# Allegro board RK3588_Template_LP4XD200P232SD8_41R0X41R0_2133MHz_H1R0_V10_20211230.brd (continued)
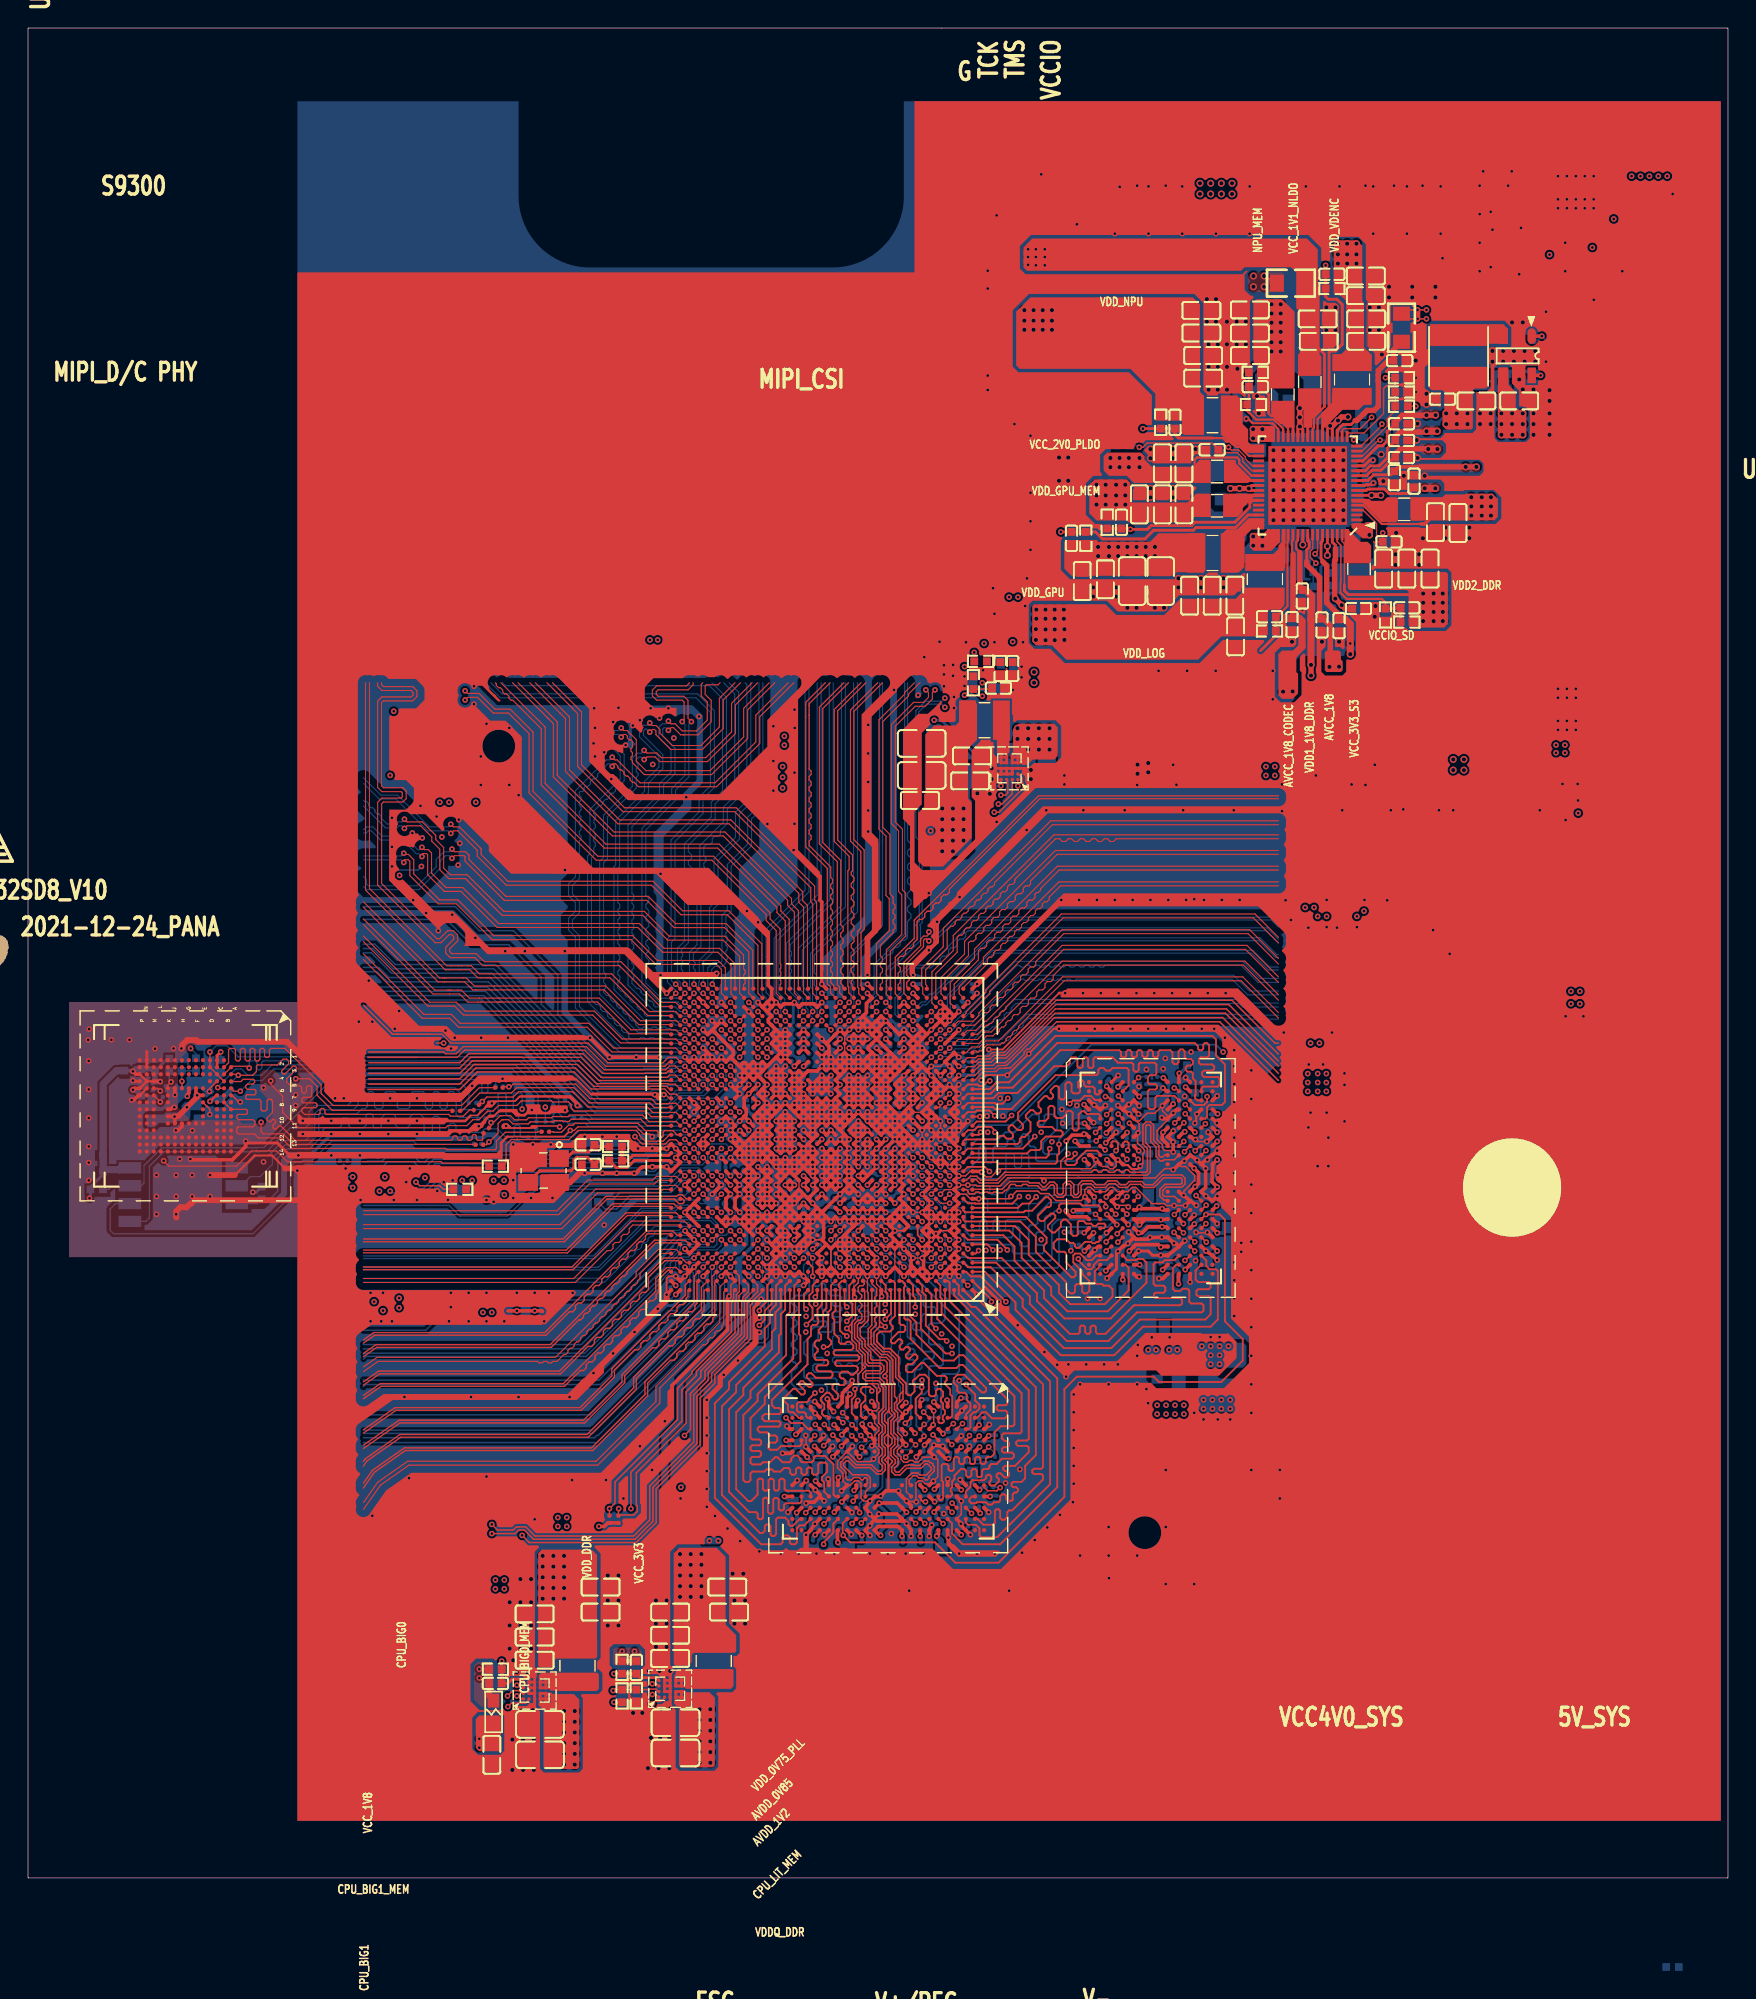
[diagram p0: board, top side]
## Routing (per net, layer and track width the routed paths; a pad name or vN(x,y) marks a point on that pad's centre or on a via; arc(x,y) is an arc through that point) (continued)
  TOP w0.254: v1(45.34,32.51) 45.85,33.02 45.85,35.05 49.8,39 49.8,41.24 49.91,41.36 v1(49.91,41.4) ; v1(55.22,53.88) U1000.W19 ; v1(55.21,53.88) U1000.W20 ; v1(55.22,53.88) U1000.Y19 ; v1(55.22,53.88) 54.89,54.2 U1000.Y20 ; U1000.W19 v1(55.87,53.23) ; U1000.W19 v1(55.86,53.88) ; U1000.AB24 v1(52.62,55.83) U1000.AC24 ; U1000.AB24 v1(52.62,55.18) ; U1000.AB24 51.97,55.83 52.29,56.15 U1000.AC24 ; U1000.G15 58.46,46.08 U1000.H14 ; U1000.G15 v1(57.81,45.43) ; U1000.G15 58.14,45.75 v1(58.46,45.43) ; 60.09,43.15 U1000.C12 v1(59.76,42.83) 59.44,43.15 U1000.C13 ; 60.09,43.15 v1(60.41,42.83) U1000.C11 ; 60.09,43.15 v1(60.41,43.48) ; U1000.AG12 60.1,58.75 60.41,58.44 v1(60.41,58.43) ; U1000.AG12 59.76,58.43 ; U1000.AG12 59.82,59.03 59.82,59.13 U1000.AH12 60.4,59.72 60.43,59.72 ; U1000.AA11 60.74,54.85 U1000.Y10 ; U1000.AA11 v1(60.41,55.18) U1000.AB11 ; U1000.AA11 v1(61.06,55.18) ; U1000.AA11 v1(60.41,54.53) ; v1(64.17,24.33) U3801.G12 v1(64.34,25.12) ; v1(55.87,55.18) 55.54,55.5 U1000.AB19 ; v1(55.87,55.18) U1000.AB18 56.51,55.18 ; v1(55.87,55.18) U1000.AA19 ; v1(55.87,55.18) U1000.AA18 ; U1000.J6 v1(63.67,47.38) 63.99,47.7 ; U1000.J6 v1(64.31,46.73) ; U1000.J6 63.99,47.05 v1(64.31,47.38) ; 56.85,59.39 v1(56.52,59.73) U1000.AJ18 ; 56.85,59.39 56.85,59.41 U1000.AJ16 v1(57.81,60.38) U1000.AJ15 58.14,60.05 v1(58.48,60.4) U1000.AK14 ; 56.85,59.39 57.02,59.22 57.02,58.8 ; U3800.D4 78.3,55.06 v1(78.37,55.06) 78.45,55.06 U3800.C5 v1(79.12,54.98) ; U3800.D4 v1(78.4,54.4) U3800.E5 ; U3800.D4 v1(77.6,54.99) ; v1(57.17,53.88) U1000.W16 ; v1(57.16,53.88) U1000.Y17 ; v1(57.16,53.88) U1000.W17 v1(56.52,53.88) ; v1(57.17,53.88) U1000.Y16 ; U1000.W16 U1000.Y15 ; U1000.W16 57.49,53.55 57.81,53.24 ; U1000.AL3 v1(66.26,61.68) ; U1000.AL3 65.62,61.03 ; U1000.AL3 65.61,61.68 ; 56.84,47.06 v1(57.16,46.73) 57.49,47.05 U1000.J16 v1(57.81,46.73) U1000.J15 58.14,47.05 v1(58.46,46.73) ; 56.84,47.06 56.51,46.74 56.51,46.73 ; 56.84,47.06 56.52,47.38 ; 63.69,59.75 62.68,58.74 ; 63.69,59.75 64.01,60.07 ; 63.69,59.75 63.64,59.75 U1000.AJ7 ; 62.68,58.74 v1(62.36,58.43) ; 62.68,58.74 62.7,58.74 63.01,58.43 ; v1(59.76,51.93) U1000.U13 v1(59.76,52.58) 60.09,52.25 U1000.U12 v1(59.76,51.93) ; v1(59.76,51.93) U1000.T13 59.44,51.6 v1(59.76,51.28) U1000.R13 59.44,50.95 v1(59.76,50.63) ; 62.03,52.27 61.72,52.58 v1(61.71,52.58) ; 62.03,52.27 62.35,52.58 62.36,52.58 ; 62.03,52.27 62.37,51.93 ; U1000.R5 v1(64.31,51.28) U1000.T6 ; U1000.R5 v1(64.96,50.63) 65.29,50.95 ; U1000.R5 v1(64.97,51.28) 65.29,50.95 ; U1000.T6 v1(64.31,51.93) 64.31,51.96 64,52.27 ; U1000.T6 63.99,51.6 63.65,51.94 ; U1000.AP17 v1(56.52,63.63) 56.52,63.7 56.51,63.71 56.51,69.48 56.39,69.6 56.39,71.29 56.18,71.5 ; v1(79.12,42.8) 78.94,42.8 U3800.AB5 ; U1000.AD11 v1(60.41,56.48) U1000.AC12 60.41,55.84 ; U1000.AD11 60.74,56.8 v1(61.06,56.48) ; U1000.AD11 60.09,57.45 U1000.AE12 ; U1000.AD11 61.39,57.46 ; 54.58,48.04 54.89,48.35 U1000.L20 ; 54.58,48.04 U1000.K21 ; 54.58,48.04 54.26,48.35 U1000.L21 ; v1(51.32,49.98) 50.99,50.3 U1000.P26 U1000.R25 ; v1(51.31,49.98) U1000.N26 50.99,49.65 51.32,49.33 ; v1(51.32,49.98) 51.64,49.65 U1000.N25 ; v1(51.32,49.98) U1000.P25 ; 53.27,44.14 52.94,43.8 U1000.D23 ; 53.27,44.14 53.26,44.14 U1000.E23 53.26,44.77 ; 53.27,44.14 U1000.E22 ; U1000.W12 U1000.Y11 ; U1000.W12 v1(59.76,53.88) 59.44,54.2 U1000.Y13 ; U1000.W12 60.41,53.23 ; U1000.Y11 61.39,54.85 ; U1000.Y11 60.74,54.2 v1(60.41,54.53) ; U1000.Y11 60.74,54.2 61.07,53.88 ; v1(65.62,47.38) U1000.K3 65.94,47.7 ; v1(65.62,47.38) U1000.J4 ; v1(65.62,47.38) 65.94,47.05 ; v1(7.37,55.38) 7.52,55.38 7.86,55.72 U4000.P6 ; U1000.K22 53.88,47.41 ; U1000.K22 53.92,48.03 ; U1000.K22 v1(53.27,47.38) ; 53.88,47.41 53.95,47.41 U1000.K21 ; 53.88,47.41 U1000.J21 ; 53.88,47.41 53.88,47.35 U1000.J22 ; v1(56.52,54.53) 56.19,54.85 U1000.AA18 ; v1(56.52,54.53) U1000.Y18 ; v1(56.52,54.53) U1000.Y17 ; v1(56.52,54.53) U1000.AA17 ; U1000.H22 53.92,46.73 ; U1000.H22 53.59,46.4 v1(53.92,46.08) ; U1000.H22 53.23,46.76 ; U1000.H22 53.34,46.15 53.34,46 U1000.G22 ; 53.91,46.73 U1000.J22 ; 53.92,46.73 U1000.J21 ; U1000.AA23 53.25,54.55 53.28,54.55 ; U1000.AA23 U1000.Y24 ; U1000.AA23 v1(52.62,55.18) ; U1000.AA23 v1(53.27,55.18) U1000.AA22 ; v1(64.31,45.43) 64.31,45.43 64.64,45.75 ; v1(64.31,45.43) 63.99,45.75 U1000.G6 ; v1(64.31,45.43) 63.99,45.1 ; 61.07,53.88 U1000.W10 ; 61.07,53.88 U1000.Y10 ; 61.06,53.88 60.74,53.55 U1000.V10 ; U1000.P22 v1(53.27,50.63) ; U1000.P22 53.91,49.98 ; U1000.P22 v1(53.92,50.63) ; U1000.P22 53.27,49.98 U1000.N22 ; v1(53.27,50.63) U1000.R23 ; v1(53.27,50.63) U1000.R22 ; U1000.C32 v1(47.41,43.48) U1000.D31 ; U1000.C32 v1(46.76,43.48) ; U1000.C32 v1(46.76,42.83) U1000.B33 v1(46.11,42.83) ; v1(15.49,52.45) 15.49,52.08 14.93,51.52 14.93,51.52 14.65,51.24 14.65,51.24 14.54,51.12 11.62,51.12 v1(11.56,51.18) ; 51.32,48.03 U1000.L26 v1(51.31,48.68) ; 51.32,48.03 51.56,47.78 51.56,47.78 ; 51.32,48.03 51.64,48.35 U1000.L25 v1(51.32,48.68) ; 51.32,48.03 U1000.K26 v1(51.31,47.38) ; 55.22,57.13 U1000.AE20 54.89,57.45 v1(54.57,57.13) ; 55.22,57.13 U1000.AD20 ; 55.22,57.13 U1000.AE19 U1000.AE18 56.52,57.78 ; 52.02,51.23 U1000.T25 ; 52.02,51.23 U1000.R24 52.61,51.27 ; 52.02,51.23 v1(51.97,51.28) ; U1000.T25 50.67,52.57 ; U1000.T25 U1000.R26 ; U1000.T25 v1(51.97,51.93) ; v1(63.01,47.38) U1000.K8 ; U1000.K8 62.36,48.03 ; U1000.K8 v1(62.36,47.38) ; v1(49.37,53.88) U1000.Y28 v1(50.01,53.88) U1000.W27 50.34,53.55 v1(50.02,53.23) U1000.V27 ; 57.02,58.8 56.89,58.8 v1(56.52,58.43) ; 57.02,58.8 57.02,58.57 57.18,58.41 ; 53.28,54.55 U1000.AA22 ; 53.28,54.55 U1000.Y23 ; 62.35,53.86 62.04,54.16 U1000.Y9 ; 62.35,53.86 U1000.W9 ; 62.35,53.86 U1000.Y8 ; U1000.AF31 v1(47.42,58.43) 47.09,58.1 U1000.AF32 v1(46.77,58.43) ; v1(61.06,56.48) U1000.AC11 ; v1(61.06,56.48) U1000.AC10 61.39,56.15 v1(61.06,55.83) ; v1(61.06,56.48) 61.39,56.8 U1000.AD10 ; 64.01,60.07 63.97,60.07 63.61,60.43 ; 64.01,60.07 v1(64.31,60.38) U1000.AK5 64.97,61.03 ; v1(81.54,53.18) 81.54,53.18 81.54,53.15 U3800.G8 81.18,52.75 81.53,52.4 v1(81.53,52.39) 81.53,52.38 81.53,51.69 v1(81.55,51.68) ; U1000.F9 62.04,45.1 61.71,44.78 U1000.F10 61.39,45.1 ; U1000.F9 v1(62.36,45.43) ; U1000.F9 61.71,45.43 ; U1000.F9 v1(62.36,44.78) U1000.E8 v1(63.01,44.13) 62.87,43.98 62.87,43.56 ; U1000.AM8 v1(62.36,62.33) U1000.AM9 ; U1000.E3 65.94,44.45 v1(66.26,44.78) U1000.F3 v1(66.26,45.43) U1000.G3 ; U1000.E3 65.62,44.13 U1000.D3 ; U1000.E3 66.26,44.13 U1000.D3 ; 62.36,52.58 62.68,52.9 U1000.V8 ; 62.36,52.58 U1000.V9 ; 62.36,52.58 v1(63.01,51.93) 63.39,52.3 ; U1000.P19 v1(55.87,50.63) U1000.R18 U1000.T19 ; U1000.P19 55.22,50.63 ; U1000.P19 v1(55.86,49.98) ; U1000.AP34 v1(45.47,62.98) 44.95,63.49 44.95,63.76 44.45,64.26 ; U1000.Y24 v1(52.62,53.88) ; U1000.Y24 52,54.49 51.93,54.49 ; U1000.Y24 v1(51.97,53.88) ; v1(52.62,53.88) U1000.W24 ; v1(52.62,53.88) 52.94,53.55 U1000.W23 52.62,53.23 ; v1(52.62,53.88) 52.64,53.9 U1000.Y23 ; 52.61,51.28 U1000.T24 ; 52.61,51.28 U1000.R23 ; 52.61,51.28 52.61,51.27 ; U1000.T24 52.29,51.6 52.62,51.93 ; U1000.T24 v1(51.97,51.93) ; U1000.T24 v1(51.97,51.28) ; v1(59.11,61.03) U1000.AK14 ; v1(59.11,61.03) U1000.AL13 ; v1(59.12,61.03) 59.37,60.77 ; U1000.AK14 58.79,60.7 v1(59.11,60.38) U1000.AK13 ; U1000.Y17 v1(57.16,54.53) ; U1000.Y17 56.84,54.2 v1(56.52,53.88) ; v1(47.41,54.53) U1000.AA31 v1(47.41,55.18) U1000.AB32 ; 65.94,47.7 65.97,47.7 66.28,48.02 U1000.L3 66.26,48.68 U1000.M3 v1(66.26,49.33) U1000.N3 65.94,49.65 v1(66.26,49.98) U1000.P3 65.94,50.3 ; 65.94,47.7 v1(66.26,47.38) 65.94,47.05 ; U1000.AA24 v1(52.62,55.18) ; U1000.AA24 51.93,54.49 ; U1000.AA24 U1000.Y23 ; v1(55.22,55.18) 54.89,55.5 U1000.AB20 ; v1(55.22,55.18) U1000.AB19 ; v1(55.22,55.18) U1000.AA20 ; v1(55.22,55.18) U1000.AA19 ; U1000.AF16 57.18,58.41 ; U1000.AF16 v1(57.16,57.78) ; U1000.AF16 v1(57.81,58.43) ; U1000.AF16 57.81,57.78 ; 57.18,58.41 57.15,58.41 56.83,58.1 ; U1000.AH22 53.59,59.4 v1(53.92,59.08) ; U1000.AH22 v1(53.92,59.73) ; U1000.AH22 53.28,59.09 53.25,59.09 ; U1000.AH22 53.26,59.73 ; 63.64,58.41 63.99,58.75 ; 63.64,58.41 63.34,58.71 U1000.AG7 ; 63.64,58.41 U1000.AF7 ; 63.99,58.75 v1(63.66,59.08) ; 63.99,58.75 U1000.AG6 ; 54.57,54.52 54.57,54.53 U1000.AA20 ; 54.57,54.52 U1000.AA21 ; 54.57,54.52 U1000.Y20 ; v1(51.97,53.23) 51.64,52.9 U1000.V25 ; v1(51.97,53.23) U1000.W24 ; v1(51.97,53.23) U1000.V24 ; U1000.AM4 v1(64.97,62.33) ; U1000.AM4 65.61,61.68 ; U1000.AM4 v1(64.96,61.68) ; U1000.AC24 v1(52.62,56.48) U1000.AD24 51.97,57.13 ; U1000.V25 51.64,52.9 51.32,52.58 ; U1000.V25 v1(51.97,52.58) ; v1(57.17,54.53) U1000.AA16 ; v1(57.16,54.53) U1000.Y16 ; U1000.AB11 60.41,55.84 ; U1000.AB11 v1(61.06,55.83) ; U1000.AB11 60.74,55.5 v1(61.06,55.18) ; 60.41,55.84 60.72,56.15 U1000.AC11 ; U1000.P21 53.92,49.98 ; U1000.P21 54.56,49.98 ; U1000.P21 v1(54.57,50.63) ; U1000.P21 v1(53.92,50.63) ; 53.92,49.98 U1000.N22 ; v1(75.87,53.77) 75.82,53.77 U3800.E1 ; 62.37,51.93 63,52.57 63,52.59 ; 62.37,51.93 U1000.T9 v1(62.36,51.28) ; U1000.AF12 59.79,57.81 ; U1000.AF12 59.76,58.43 ; U1000.AF12 60.1,58.1 ; 59.79,57.81 U1000.AE13 v1(59.11,57.78) ; 59.79,57.81 59.74,57.81 U1000.AF13 ; 59.79,57.81 59.79,57.75 U1000.AE12 ; 56.83,58.1 56.85,58.1 ; 56.83,58.1 56.52,57.78 ; v1(63.01,62.98) U1000.AN7 ; v1(57.81,52.58) 58.14,52.9 U1000.V15 ; v1(57.81,52.58) U1000.U16 v1(57.16,52.58) 56.84,52.25 U1000.U17 ; v1(57.81,52.58) 58.14,52.25 U1000.U15 ; U1000.Y9 61.39,53.55 ; U1000.Y9 62.4,54.56 ; U1000.Y9 U1000.AA10 v1(61.06,55.18) ; 63.61,60.43 63.61,60.32 U1000.AJ7 ; 63.61,60.43 U1000.AK7 ; v1(66.91,53.88) U1000.W2 ; U1000.W2 v1(66.26,53.23) ; U1000.W2 v1(66.26,53.88) ; 65.62,61.03 v1(65.61,61.03) 65.29,60.7 U1000.AK4 64.97,61.03 ; 65.62,61.03 65.3,61.35 U1000.AL4 ; 62.04,47.05 62.69,46.41 62.36,46.08 ; 62.04,47.05 61.72,47.38 ; 62.04,47.05 61.72,46.74 ; 62.04,47.05 v1(62.36,47.38) ; v1(51.97,52.58) v1(51.32,51.93) U1000.T26 ; v1(51.97,52.58) U1000.U24 ; v1(51.97,52.58) U1000.V24 ; U1000.AF8 63.01,58.43 ; U1000.AF8 63,57.79 ; U1000.AF8 v1(62.37,58.43) ; U1000.AF8 62.36,57.78 ; 63.01,58.43 U1000.AG7 ; 63.01,58.43 U1000.AF7 ; v1(79.03,53.05) U3800.G5 ; U1000.J4 64.97,47.38 U1000.J5 ; U1000.J4 v1(64.96,46.73) U1000.J5 ; U1000.J4 65.29,47.05 v1(65.61,46.73) ; 57.81,57.78 U1000.AE15 ; 57.81,57.78 U1000.AF15 ; 57.81,57.78 U1000.AE16 ; U1000.AE15 57.81,57.13 ; U1000.AE15 U1000.AF14 ; U1000.G3 65.61,46.08 U1000.H3 ; U1000.G3 66.26,46.08 U1000.H3 ; 63.99,47.7 U1000.K6 ; 63.99,47.7 U1000.K6 ; 63.99,47.7 v1(64.31,48.03) U1000.L6 v1(63.67,48.68) 63.99,49 U1000.M6 v1(64.31,49.33) U1000.N6 63.99,49.65 v1(64.31,49.98) U1000.P6 ; U1000.C16 57.16,43.48 56.84,43.15 U1000.C17 ; U1000.C16 v1(57.81,42.83) U1000.C15 ; U1000.C16 57.18,42.84 57.15,42.84 U1000.C17 ; 57.81,57.13 U1000.AE16 ; 57.81,57.13 57.49,56.8 U1000.AD16 v1(57.81,56.48) U1000.AC16 57.81,55.83 57.49,55.5 U1000.AB16 ; v1(59.76,62.98) U1000.AN12 59.69,62.25 59.69,61.6 U1000.AL13 ; U1000.J19 55.28,47.31 55.15,47.31 U1000.J20 ; U1000.J19 55.54,47.03 55.23,46.72 ; U1000.J19 v1(55.86,46.73) ; U1000.J19 55.87,47.38 ; 47.74,58.1 v1(48.07,58.43) ; v1(48.07,58.43) U1000.AF30 48.39,58.1 v1(48.72,58.43) ; v1(48.07,58.43) U1000.AG30 ; U4000.J5 10.45,55.77 10.45,55.77 v1(10.45,55.75) ; U1000.K6 v1(64.31,47.38) ; v1(83.97,45.95) 83.99,45.95 U3800.V12 ; U3801.N11 60.27,25.6 v1(60.58,25.91) 61.87,25.91 U3801.K11 62.37,25.4 ; U3801.N11 59.93,25.08 v1(59.93,25.07) 59.93,25.07 U3801.P12 59.62,24.71 v1(59.94,24.38) ; U3801.N11 v1(59.93,25.89) U3801.P10 v1(59.95,26.83) ; U3801.N11 60.42,25.4 62.37,25.4 ; U1000.H19 v1(55.86,46.73) ; U1000.H19 55.23,46.72 ; U1000.H19 55.54,46.4 55.24,46.1 55.24,46.05 U1000.G19 ; U1000.H19 55.54,46.4 v1(55.87,46.08) U1000.G19 ; v1(55.86,46.73) U1000.J18 ; v1(56.51,43.48) 56.19,43.8 v1(56.51,44.13) 56.19,44.45 U1000.E18 56.84,45.1 ; v1(56.51,43.48) 56.84,43.15 ; v1(56.51,43.48) U1000.C18 v1(56.51,42.83) 56.84,43.15 ; U1000.AE12 60.13,57.45 60.41,57.74 v1(60.41,57.78) ; U1000.F22 53.26,44.77 ; U1000.F22 53.9,44.79 53.9,44.77 ; U1000.F22 53.59,45.1 v1(53.92,45.43) ; U1000.F22 53.56,45.1 53.25,45.41 ; 53.26,44.77 52.94,45.09 U1000.F23 ; 53.26,44.77 53.27,44.77 U1000.E22 ; v1(51.32,47.38) 51.56,47.62 51.56,47.78 ; v1(51.31,47.38) U1000.J25 ; v1(51.31,47.38) v1(50.67,46.73) ; 55.23,46.72 54.89,47.05 U1000.J20 ; U1000.J3 65.94,47.05 ; U1000.J3 65.94,47.05 v1(66.26,46.73) U1000.H3 ; U1000.J3 v1(65.61,46.73) ; U1000.R23 v1(53.27,51.28) ; 57.15,57.79 56.9,57.53 56.77,57.53 56.52,57.78 ; 57.15,57.79 U1000.AE16 ; 57.15,57.79 56.85,58.1 ; v1(64.97,55.83) U1000.AC5 ; v1(64.97,55.83) U1000.AC4 ; v1(64.97,55.83) U1000.AB5 ; U1000.AC5 v1(64.32,56.48) 64.64,56.8 U1000.AD5 ; U1000.AC5 64.96,56.48 ; U1000.AC5 64.32,55.83 ; U1000.D3 65.61,43.47 ; U1000.D3 65.94,43.8 v1(66.26,43.48) 65.94,43.15 U1000.C3 ; 65.61,43.47 65.93,43.15 U1000.C3 ; 65.61,43.47 U1000.C4 ; v1(77.55,47.78) U3800.P3 v1(77.57,48.49) U3800.N4 ; U1000.V15 57.81,53.24 ; U1000.V15 v1(58.46,52.58) U1000.U15 ; 57.81,53.24 57.82,53.24 U1000.W15 ; v1(66.26,58.43) U1000.AG3 U1000.AF4 65.29,58.1 v1(65.61,57.78) U1000.AE3 v1(65.61,57.13) ; 58.46,49.33 58.47,49.33 ; 58.46,49.33 U1000.N14 58.79,49.65 v1(58.46,49.98) ; 58.46,49.33 U1000.M15 ; 58.47,49.33 U1000.M14 ; 58.47,49.33 U1000.N15 v1(58.46,49.98) ; 56.85,58.1 v1(56.52,58.43) ; 60.44,59.7 U1000.AH11 61.09,59.06 U1000.AG10 ; 60.44,59.7 60.44,59.75 60.74,60.05 U1000.AJ11 60.42,60.38 ; 60.44,59.7 60.43,59.72 ; v1(80.64,44.32) 81.12,44.32 U3800.Y8 U3800.W9 ; 51.31,57.78 U1000.AE26 ; 51.31,57.78 U1000.AF25 v1(51.97,57.78) ; 51.31,57.78 51.05,58.04 50.93,58.04 50.67,57.78 ; 51.31,57.78 51.97,57.13 ; U1000.AE26 50.67,57.78 ; U1000.AE26 50.99,57.45 v1(50.67,57.13) U1000.AD26 ; U1000.AE26 51.32,57.13 ; v1(68.45,32.28) 68.12,31.95 U3801.A3 ; v1(53.92,59.73) 53.59,60.05 U1000.AJ22 ; v1(53.92,59.73) 54.24,60.05 U1000.AJ21 v1(53.92,60.38) U1000.AJ22 ; v1(53.92,59.73) U1000.AH21 v1(53.92,59.08) ; v1(65.43,34.01) 65.47,33.96 U3801.E1 ; U1000.F11 60.74,45.1 v1(61.06,44.78) 61.39,45.1 ; 55.2,53.24 v1(55.22,53.23) U1000.V19 ; U1000.C4 65.29,43.15 v1(65.61,42.83) U1000.C3 ; U1000.C4 v1(64.96,42.83) U1000.C5 64.64,43.15 v1(64.32,42.83) ; v1(34.54,48.41) 34.37,48.23 34.35,48.25 34.16,48.25 34.1,48.19 33.72,48.19 33.66,48.25 33.55,48.25 ; U1000.P8 62.69,50.3 v1(63.01,50.63) U1000.R8 ; U1000.P8 v1(63.01,49.98) ; U1000.P8 v1(62.37,49.98) ; U1000.R21 v1(53.92,50.63) ; U1000.R21 v1(53.92,51.28) U1000.R22 ; U1000.R21 54.24,50.95 v1(54.57,50.63) ; U1000.R21 v1(54.57,51.28) ; v1(53.92,50.63) 53.59,50.95 U1000.R22 ; U1000.V4 v1(65.61,53.23) ; U1000.V4 v1(64.97,52.58) U1000.V5 ; U1000.V4 65.61,52.58 ; U1000.V4 v1(64.96,53.23) U1000.V5 ; v1(65.61,53.23) U1000.W3 ; v1(65.62,53.23) U1000.V3 ; 53.25,59.09 U1000.AH23 52.94,59.42 53.26,59.73 ; 53.25,59.09 U1000.AG22 ; v1(84.02,53.08) 84.02,53.08 U3800.G12 v1(83.92,52.43) ; v1(58.46,49.98) U1000.P14 58.79,50.3 v1(58.46,50.63) ; v1(58.46,49.98) 58.14,50.3 U1000.P15 v1(58.46,50.63) ; U1000.V27 v1(50.02,52.58) 50.28,52.31 ; U1000.V27 50.34,52.9 50.67,52.57 ; C2324.2 62.74,78.42 62.74,76.65 ; U1000.W9 62.04,53.55 62.36,53.23 ; U1000.W9 61.71,53.23 ; U1000.W9 U1000.Y10 ; U1000.L21 54.57,48.68 ; U1000.L21 53.92,48.68 ; U1000.L21 53.92,48.03 ; U1000.L21 v1(54.57,48.03) ; 54.57,48.68 U1000.M20 55.25,48.64 ; 54.57,48.68 54.57,48.67 U1000.L20 ; 61.71,53.23 61.39,53.55 ; 61.71,53.23 U1000.V10 ; 61.71,53.23 62.04,52.9 U1000.V9 ; 61.39,53.55 60.74,52.9 U1000.V11 60.41,53.23 ; 56.84,43.15 U1000.C17 ; U1000.H12 v1(59.76,46.73) ; U1000.H12 v1(60.41,46.73) ; U1000.H12 v1(60.41,46.08) ; v1(59.76,46.73) 59.44,47.05 U1000.J13 v1(59.11,46.73) ; v1(59.76,46.73) U1000.J12 60.09,47.05 v1(60.41,46.73) ; U1000.K9 62.04,47.7 62.36,48.03 ; U1000.K9 v1(62.36,47.38) ; U1000.K9 61.72,47.38 ; U1000.M11 v1(60.41,48.68) ; U1000.M11 60.74,49 v1(61.06,49.33) U1000.N11 v1(61.06,49.98) 60.74,50.3 U1000.P11 v1(61.06,50.63) 60.74,50.95 U1000.R11 v1(61.06,51.28) 60.74,51.6 U1000.T11 v1(61.06,51.93) v1(61.71,52.58) ; U1000.M11 v1(61.06,48.68) ; U1000.E22 v1(53.91,44.13) ; U1000.E22 53.9,44.77 ; v1(53.92,59.08) 53.59,58.75 U1000.AG22 ; v1(53.92,59.08) U1000.AG21 v1(53.92,58.43) ; U1000.T19 55.22,51.28 ; U1000.T19 v1(55.86,51.92) ; U1000.T19 v1(55.22,51.93) ; 55.21,51.28 U1000.T20 ; 55.22,51.28 U1000.R20 ; 55.21,51.28 U1000.R19 ; 55.22,50.63 U1000.R19 ; 55.21,50.63 U1000.R20 ; 55.22,50.63 U1000.P20 ; U1000.R19 U1000.T18 56.19,51.6 55.87,51.92 v1(55.86,51.92) ; U1000.R19 U1000.P18 v1(55.87,49.98) ; 62.36,53.23 U1000.V8 ; 62.36,53.23 U1000.V9 ; U1000.V8 63,52.59 ; U1000.AA6 63.64,54.5 63.94,54.2 U1000.Y6 ; U1000.AA6 64.31,55.17 ; U1000.AA6 64.37,54.47 ; U1000.F19 55.53,45.1 55.21,45.42 ; U1000.F19 v1(55.86,45.43) U1000.G19 ; U1000.F19 55.54,45.1 v1(55.22,44.78) ; U1000.H25 51.33,46.09 51.3,46.09 ; U1000.H25 51.32,46.73 ; U1000.H25 51.96,46.73 ; U1000.AE11 60.09,56.8 U1000.AD12 U1000.AC11 ; U1000.AE11 60.74,57.47 60.44,57.76 ; U1000.AE11 60.76,57.45 61.72,58.42 ; U1000.AE11 U1000.AD10 ; U1000.R3 65.94,50.95 v1(66.26,50.63) 65.94,50.3 ; U1000.R3 65.94,50.95 v1(66.26,51.28) 65.94,51.6 U1000.T3 65.94,51.6 v1(66.26,51.93) 65.94,52.25 U1000.U3 ; U1000.R3 v1(65.62,50.63) ; U3800.Y5 v1(79.07,44.63) ; U1000.J18 56.51,46.73 ; U1000.J18 56.52,47.38 ; U1000.J18 56.19,47.06 55.87,47.38 ; 56.51,46.73 56.64,46.6 56.64,45.56 56.51,45.43 56.84,45.1 ; v1(57.81,58.43) U1000.AF15 ; v1(57.81,58.43) U1000.AG15 v1(58.46,58.43) ; U1000.C22 v1(53.26,42.83) U1000.C23 ; U1000.C22 53.59,43.15 v1(53.92,42.83) U1000.C21 54.57,42.83 U1000.C20 54.89,43.15 v1(55.21,42.83) 55.54,42.5 U1000.B19 v1(55.22,42.18) ; U1000.C22 v1(53.26,43.48) ; 63.99,44.45 U1000.E6 63.99,44.45 v1(64.31,44.78) 64.12,44.98 64.11,44.98 63.99,45.1 ; 63.99,44.45 v1(63.66,44.78) ; 63.99,44.45 v1(63.67,44.13) 63.75,44.04 63.75,43.39 ; U1000.AA22 v1(53.92,55.18) U1000.AA21 ; 64.64,45.75 v1(64.64,45.88) ; 64.64,45.75 v1(64.96,45.43) ; 64.64,45.75 64.32,46.08 ; 64.64,45.75 64.96,46.08 ; U1000.Y6 64.26,54.47 64.37,54.47 ; U1000.Y6 v1(64.32,53.88) ; U1000.AE7 63.64,57.76 63.64,57.8 ; U1000.AE7 63,57.79 ; U1000.AE7 63.34,57.45 v1(63.01,57.13) U1000.AD8 62.7,56.8 62.99,56.52 62.99,56.45 U1000.AC8 63.01,55.83 v1(63.01,55.82) ; v1(55.86,53.23) U1000.V19 ; v1(55.87,53.23) U1000.V18 55.87,52.59 ; v1(55.86,53.23) U1000.W18 ; v1(64.31,47.38) 64.64,47.05 ; U1000.L22 53.92,48.03 ; U1000.L22 53.91,48.68 ; U1000.L22 v1(53.27,48.68) 53.59,49 U1000.M22 ; 53.92,48.03 U1000.K21 ; 50.02,58.42 50.22,58.61 50.22,58.88 48.71,60.38 ; 50.02,58.42 50.01,58.42 U1000.AF28 v1(49.37,58.43) 49.04,58.1 ; 50.02,58.42 U1000.AF27 50.34,58.1 50.67,57.78 ; v1(58.46,44.78) 58.14,45.1 U1000.F15 ; v1(58.46,44.78) U1000.F14 ; v1(58.46,44.78) 58.14,44.45 58.14,44.45 ; U3800.V1 v1(75.86,45.93) ; U1000.J25 51.96,47.37 51.96,47.39 ; U1000.J25 51.64,47.05 51.97,46.73 ; U1000.J25 51.32,46.73 ; 60.1,58.1 60.13,58.1 60.41,58.39 v1(60.41,58.43) ; 60.1,58.1 60.41,57.79 v1(60.41,57.78) ; U1000.AC11 v1(61.06,55.83) ; v1(61.06,55.83) U1000.AB10 61.39,55.5 v1(61.06,55.18) ; U1000.V5 v1(64.32,53.23) 63.99,53.55 U1000.W6 ; U1000.V5 v1(64.32,52.58) 64,52.27 ; U1000.AJ7 63.02,59.74 63.02,59.72 ; 60.41,60.38 U1000.AK11 60.42,61.03 ; 60.41,60.38 60.09,60.7 U1000.AK12 ; 60.41,60.38 U1000.AJ12 ; v1(62.36,58.43) 61.72,57.79 ; v1(61.06,46.73) 60.74,47.05 U1000.J11 v1(60.41,46.73) ; v1(61.06,46.73) 61.39,47.05 U1000.J10 ; v1(61.06,46.73) U1000.H10 ; v1(66.26,56.48) 65.94,56.15 U1000.AC3 ; 62.36,57.78 61.72,58.42 ; 62.36,57.78 U1000.AE9 ; 61.72,58.42 U1000.AG10 ; v1(55.87,49.98) 56.19,49.65 U1000.N18 v1(55.87,49.33) U1000.M18 U1000.L19 ; 62.37,25.4 v1(62.55,25.23) U3801.J12 v1(62.87,24.33) ; U1000.AA16 57.49,54.85 57.81,55.18 U1000.AB16 ; U1000.AA16 v1(57.81,54.53) ; U1000.AA16 v1(57.16,55.18) U1000.AB17 56.84,55.5 56.52,55.18 ; U1000.AA21 v1(54.57,55.18) ; 50.67,52.57 50.41,52.31 50.28,52.31 ; v1(55.22,55.83) 54.89,56.15 U1000.AC20 ; v1(55.22,55.83) 55.54,55.5 U1000.AB19 ; v1(55.22,55.83) U1000.AB20 ; 51.32,49.33 U1000.M25 51.64,49 v1(51.32,48.68) ; 51.32,49.33 U1000.N25 ; 51.31,49.33 U1000.M26 v1(51.31,48.68) ; v1(84.66,51.78) U3800.J12 83.98,51.21 v1(83.97,51.13) 83.86,51.13 U3800.K11 ; U1000.Y10 61.69,54.5 ; U1000.Y8 62.4,54.49 62.4,54.56 ; U1000.Y8 62.99,54.5 